# KiCad board EnvKB_HS.kicad_pcb (continued)
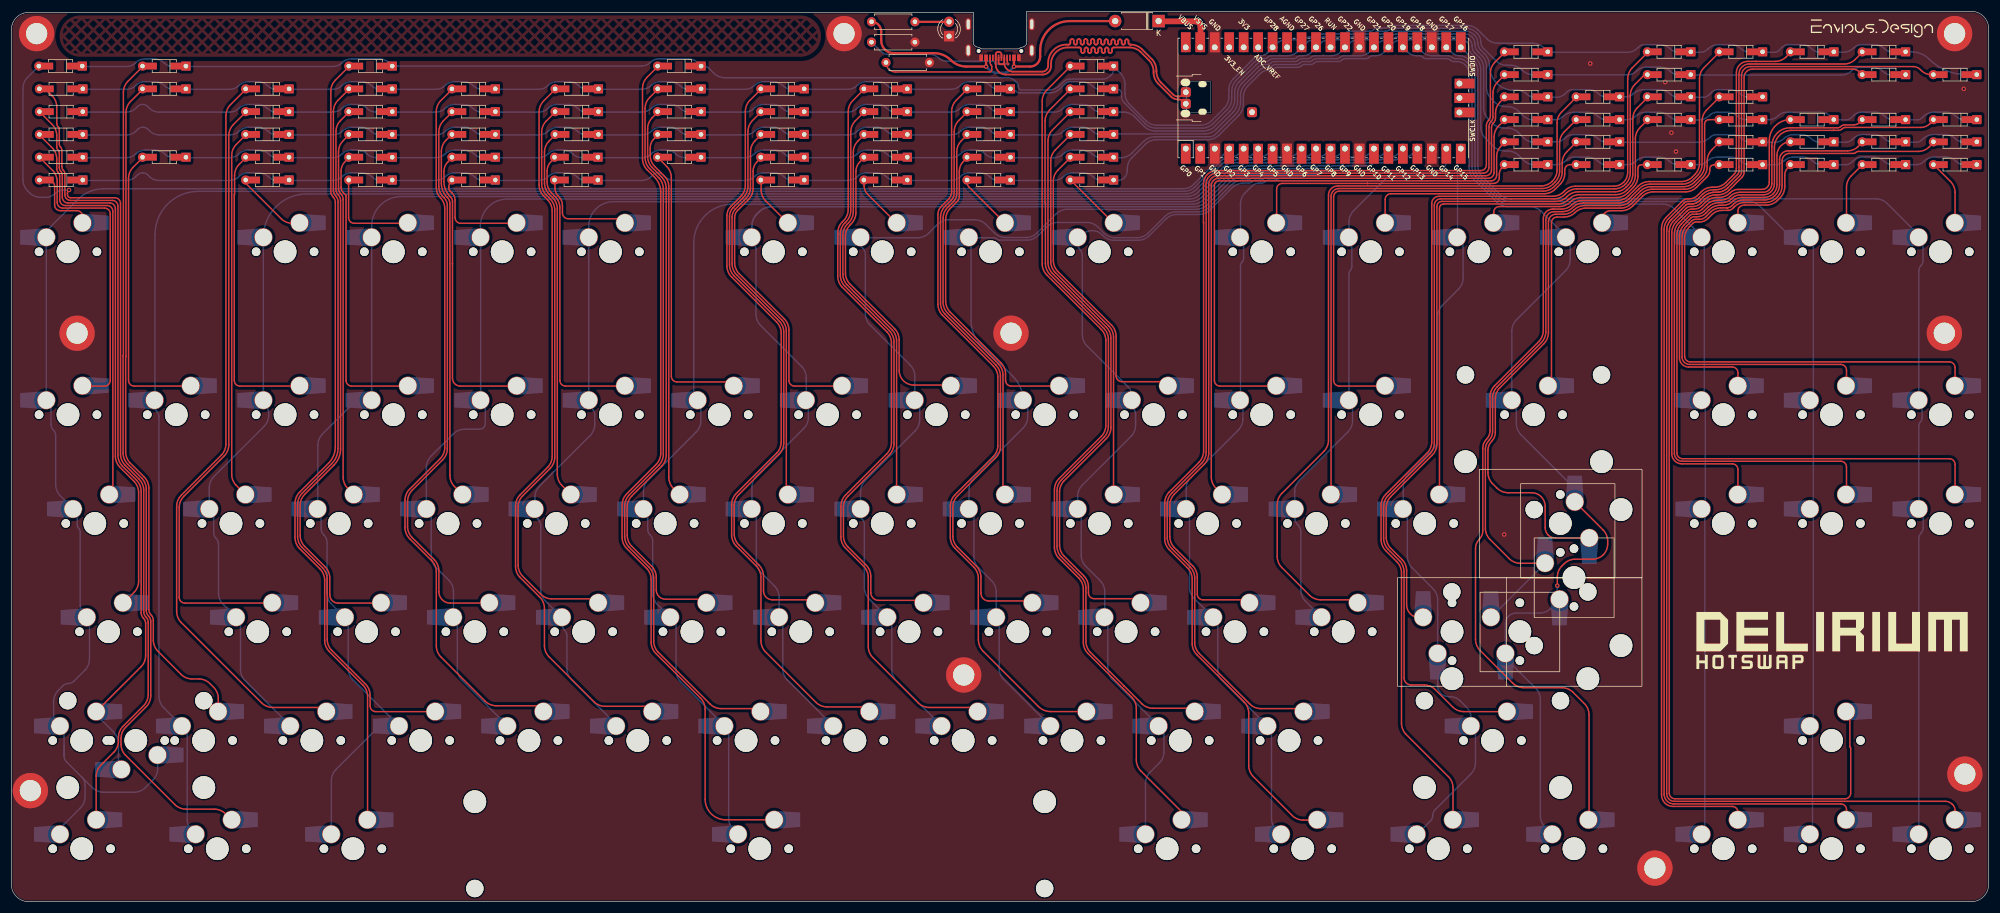
[diagram p0: board, top side]
## Nets (continued)
Net-(D80-A): D80.2 K_80.2
Net-(D81-A): D81.2 K_81.2
Net-(D82-A): D82.2 K_82.2
Net-(D83-A): D83.2 K_83.2
Net-(D84-A): D84.2 K_84.2
Net-(D85-A): D85.2 K_85.2
Net-(D86-A): D86.2 K_86.2
Net-(D87-A): D87.2 K_87.2
Net-(D88-A): D88.2 K_88.2
Net-(PowerLED0-A): LEDRESISTOR1.2 PowerLED0.2
Net-(USB1-CC1): RESISTOR0.1 USB1.A5
Net-(USB1-CC2): RESISTOR1.2 USB1.B5

Pads without a net: RPI0 1 2 33 35 37 40 41 42 43 TP6; USB1 A8 B8

## Via types
v1: diameter 0.8, hole 0.4, Top to Bottom, 10 vias
v2: diameter 0.5, hole 0.2, Top to Bottom, 1 via

## Routing (per net, layer and track width the routed paths; a pad name or vN(x,y) marks a point on that pad's centre or on a via; arc(x,y) is an arc through that point)
GND:
  vias: v1(261.99,64.45) v1(277.1,147.14) v1(290.24,143.88) v1(291.33,134.99) v1(292.13,131.69) v1(342.63,142.69)
col0: length 343
  Bottom w0.25: K_16.1 K_0.1 arc(6.33,117.64) 6.9,118.5 11.68,123.28 arc(13.74,124.66) 16.16,125.14 205.6,125.14 arc(206.64,125.35) 207.52,125.94 213.77,132.19 ; 9.25,26.21 9.25,27.4 ; 9.25,26.21 9.25,25.58 ; 9.25,26.21 arc(9.25,26.21) 9.25,26.22 ; 9.25,27.4 9.25,26.22 ; 9.25,27.4 9.25,30.09 ; 11.55,68.28 11.55,66.15 arc(11.62,65.81) 11.81,65.52 arc(12.01,65.23) 12.07,64.88 12.07,51.94 arc(12.23,51.15) 12.68,50.47 ; 13.7,49.46 13.7,42.56 arc(13.49,41.52) 12.9,40.63 10.95,38.68 arc(10.51,38.39) 10,38.29 arc(9.48,38.18) 9.04,37.89 8.2,37.06 arc(7.62,36.17) 7.41,35.13 7.41,31.94 ; 25.67,25.75 25.67,23.3 arc(25.46,22.26) 24.87,21.37 23.5,20 arc(22.62,19.41) 21.58,19.2 16.14,19.2 arc(15.1,19.41) 14.22,20 12.35,21.87 ; 9.25,26.22 9.25,25.61 arc(9.25,25.59) 9.25,25.58 ; 6.95,87.16 6.95,83.79 arc(7.06,83.25) 7.36,82.79 arc(7.67,82.34) 7.77,81.8 7.77,73.18 arc(7.98,72.14) 8.57,71.26 10.91,68.91 ; 12.35,21.87 9.68,24.53 arc(9.36,25.01) 9.25,25.58 ; 12.35,21.87 arc(12.78,21.22) 12.93,20.45 12.93,18.46 arc(12.71,17.35) 12.08,16.41 9.25,13.57 arc(8.71,12.77) K_78.1
col1: length 303.4
  Bottom w0.25: 216.31,132.19 215.45,131.32 arc(214.71,130.83) 213.85,130.66 arc(212.98,130.48) 212.25,129.99 207.74,125.49 arc(206.86,124.9) 205.82,124.69 32.8,124.69 arc(27.42,122.46) 25.2,117.09 25.2,87.32 ; 30.85,29.93 30.85,14.31 arc(31.04,13.34) 31.6,12.51 ; 29.96,30.81 26.7,34.08 arc(26.11,34.96) 25.9,36 25.9,85.18 arc(25.81,85.64) 25.55,86.03 arc(25.29,86.42) 25.2,86.88
col2: length 274.2
  Bottom w0.25: K_18.1 K_1.1 arc(46.45,122.01) 51.84,124.24 206.07,124.24 arc(207.11,124.45) 207.99,125.04 212.44,129.49 arc(213.24,130.02) 214.18,130.21 214.83,130.21 arc(215.16,130.27) 215.44,130.46 arc(215.73,130.65) 216.06,130.72 216.54,130.72 arc(217.32,130.87) 217.98,131.31 218.85,132.19 ; 35.5,68.14 35.5,64.78 arc(35.61,64.23) 35.92,63.76 arc(36.24,63.29) 36.35,62.73 36.35,54.13 arc(36.55,53.09) 37.14,52.21 39.49,49.87 ; 40.2,49.15 40.2,40.75 arc(40.41,39.71) 41,38.83 49.01,30.81 ; 34.72,68.91 34.72,72.68 arc(34.93,73.72) 35.52,74.6 44.36,83.44 arc(44.95,84.31) 45.15,85.34 45.15,85.82 arc(45.03,86.41) 44.7,86.91
col3: length 281.9
  Bottom w0.25: 64.59,30.81 56.95,23.18 arc(56.36,22.3) 56.15,21.26 56.15,11.76 ; 68.06,30.81 62.93,35.95 arc(62.93,35.95) 62.93,35.95 arc(62.93,35.95) 62.93,35.95 59.9,38.98 arc(59.31,39.87) 59.1,40.91 59.1,49.3 ; 221.39,132.19 220.52,131.31 arc(219.86,130.87) 219.08,130.72 218.6,130.72 arc(218.27,130.65) 217.99,130.46 arc(217.7,130.27) 217.37,130.21 216.57,130.21 arc(216.23,130.14) 215.95,129.95 arc(215.67,129.77) 215.34,129.7 214.54,129.7 arc(213.5,129.49) 212.62,128.9 208.3,124.59 arc(207.42,124) 206.38,123.79 68.43,123.79 arc(64.75,122.27) 63.22,118.59 K_2.1 63.22,89.83 arc(62.7,88.55) 61.42,88.02 ; 54.35,68.34 54.35,65.57 arc(54.49,64.89) 54.87,64.31 arc(55.26,63.73) 55.4,63.04 55.4,54.13 arc(55.61,53.09) 56.2,52.21 58.54,49.87 ; 60.46,87.97 54.57,82.07 arc(53.98,81.19) 53.77,80.15 53.77,68.91
col4: length 246.7
  Bottom w0.25: 78.28,49.18 78.28,40.78 arc(78.48,39.74) 79.07,38.85 87.11,30.81 ; 226.47,132.19 225.74,131.45 arc(224.92,130.91) 223.96,130.72 221.14,130.72 arc(220.81,130.65) 220.52,130.46 arc(220.24,130.27) 219.91,130.21 218.85,130.21 arc(218.52,130.14) 218.24,129.95 arc(217.96,129.77) 217.63,129.7 216.82,129.7 arc(216.49,129.63) 216.21,129.44 arc(215.93,129.26) 215.59,129.19 214.79,129.19 arc(213.75,128.98) 212.87,128.39 208.61,124.14 arc(207.73,123.55) 206.69,123.34 87.03,123.34 arc(83.7,121.96) 82.32,118.64 K_3.1 ; 73.67,68.06 73.67,60.63 arc(73.88,59.59) 74.47,58.71 76.79,56.39 arc(77.38,55.51) 77.59,54.47 77.59,49.87 ; 83.17,87.14 83.17,83.95 arc(83.1,83.56) 82.88,83.23 arc(82.54,83.01) 82.15,82.93 79.5,82.93 arc(78.46,82.72) 77.58,82.13 73.62,78.17 arc(73.03,77.29) 72.82,76.25 72.82,68.91 ; 82.35,87.97 82.35,116.6
col5: length 226.6
  Bottom w0.25: 106.16,31.09 98.3,38.96 arc(97.71,39.84) 97.5,40.88 97.5,46.64 arc(97.39,47.21) 97.07,47.69 arc(96.75,48.17) 96.64,48.73 ; 101.4,87.08 101.89,86.59 arc(102.25,86.05) 102.38,85.41 102.38,83.76 arc(102.17,82.72) 101.58,81.83 92.67,72.92 arc(92.08,72.04) 91.87,71 91.87,68.91 ; K_21.1 K_4.1 101.32,118.54 arc(102.6,121.62) 105.68,122.89 207,122.89 arc(208.04,123.1) 208.92,123.69 213.12,127.89 arc(214.01,128.48) 215.05,128.68 215.85,128.68 arc(216.18,128.75) 216.46,128.94 arc(216.74,129.12) 217.07,129.19 217.88,129.19 arc(218.21,129.26) 218.49,129.44 arc(218.77,129.63) 219.11,129.7 220.17,129.7 arc(220.5,129.77) 220.78,129.95 arc(221.06,130.14) 221.39,130.21 224.99,130.21 arc(225.32,130.27) 225.61,130.46 arc(225.89,130.65) 226.22,130.72 226.7,130.72 arc(227.48,130.87) 228.14,131.31 229.01,132.19 ; 96.02,50.48 93.7,52.8 arc(93.11,53.69) 92.9,54.73 92.9,65.98 arc(92.77,66.65) 92.39,67.22 91.87,67.73
col6: length 227.3
  Bottom w0.25: 125.88,30.15 125.88,14.61 arc(126.08,13.57) 126.67,12.68 ; 121,87.41 121,84.38 arc(120.79,83.34) 120.2,82.46 111.72,73.97 arc(111.13,73.09) 110.92,72.05 110.92,68.91 ; 111.68,68.16 111.68,65.4 arc(111.79,64.83) 112.11,64.34 arc(112.43,63.86) 112.55,63.29 112.55,54.13 arc(112.76,53.09) 113.35,52.21 115.69,49.87 ; 116.65,48.9 116.65,40.5 arc(116.86,39.46) 117.45,38.58 125.21,30.81 ; 119.75,88.66 119.75,115.63 arc(121.75,120.45) 126.56,122.44 207.31,122.44 arc(208.35,122.65) 209.24,123.24 213.38,127.38 arc(214.26,127.97) 215.3,128.18 216.1,128.18 arc(216.43,128.24) 216.72,128.43 arc(217,128.62) 217.33,128.68 218.13,128.68 arc(218.47,128.75) 218.75,128.94 arc(219.03,129.12) 219.36,129.19 220.42,129.19 arc(220.75,129.26) 221.03,129.44 arc(221.31,129.63) 221.65,129.7 225.25,129.7 arc(225.58,129.77) 225.86,129.95 arc(226.14,130.14) 226.47,130.21 227.53,130.21 arc(227.86,130.27) 228.14,130.46 arc(228.43,130.65) 228.76,130.72 229.24,130.72 arc(230.02,130.87) 230.68,131.31 231.55,132.19
col7: length 214.1
  Bottom w0.25: 133.54,121.99 133.29,121.99 arc(132.25,121.78) 131.37,121.19 130.77,120.59 arc(130.18,119.71) 129.97,118.67 129.97,116.54 ; 133.54,121.99 207.63,121.99 arc(208.67,122.2) 209.55,122.79 213.63,126.87 arc(214.51,127.46) 215.56,127.67 216.36,127.67 arc(216.69,127.73) 216.97,127.92 arc(217.25,128.11) 217.58,128.18 218.39,128.18 arc(218.72,128.24) 219,128.43 arc(219.28,128.62) 219.61,128.68 220.67,128.68 arc(221.01,128.75) 221.29,128.94 arc(221.57,129.12) 221.9,129.19 225.5,129.19 arc(225.83,129.26) 226.11,129.44 arc(226.39,129.63) 226.73,129.7 227.79,129.7 arc(228.12,129.77) 228.4,129.95 arc(228.68,130.14) 229.01,130.21 230.07,130.21 arc(230.4,130.27) 230.69,130.46 arc(230.97,130.65) 231.3,130.72 231.78,130.72 arc(232.56,130.87) 233.22,131.31 234.09,132.19 ; 133.54,121.99 arc(130.98,120.93) 129.92,118.38 K_5.1 ; 139.88,87.59 139.88,85.01 arc(139.67,83.97) 139.08,83.08 130.77,74.77 arc(130.18,73.89) 129.97,72.85 129.97,68.91 ; 144.26,30.81 136.17,38.9 arc(135.58,39.79) 135.38,40.83 135.38,49.23 ; 130.75,68.14 130.75,59.71 arc(130.96,58.67) 131.55,57.78 133.94,55.39 arc(134.53,54.51) 134.74,53.47 134.74,49.87 ; 139.5,87.97 139.5,92.01 arc(139.29,93.05) 138.7,93.93 131.47,101.16 arc(130.88,102.04) 130.68,103.08 130.68,114.53 arc(130.58,114.99) 130.32,115.38
col8: length 190.8
  Bottom w0.25: 159.4,87.11 159.4,84.56 arc(159.19,83.52) 158.6,82.63 149.82,73.85 arc(149.23,72.97) 149.02,71.93 149.02,70.42 ; 163.31,30.81 155.31,38.82 arc(154.72,39.7) 154.51,40.74 154.51,49.14 ; 153.79,49.87 150.5,53.15 arc(149.91,54.04) 149.7,55.08 149.7,66.25 arc(149.61,66.69) 149.36,67.07 arc(149.11,67.44) 149.02,67.89 ; 149.02,116.54 159.06,116.54 arc(160.1,116.75) 160.98,117.34 162.55,118.91 arc(163.44,119.5) 164.48,119.7 169.07,119.7 arc(170.11,119.5) 171,118.91 172.53,117.38 arc(173.41,116.79) 174.45,116.58 178.07,116.58 arc(179.11,116.79) 180,117.38 183.36,120.74 arc(184.25,121.33) 185.29,121.54 207.94,121.54 arc(208.98,121.75) 209.86,122.34 213.89,126.36 arc(214.77,126.95) 215.81,127.16 216.61,127.16 arc(216.94,127.23) 217.22,127.41 arc(217.5,127.6) 217.84,127.67 218.64,127.67 arc(218.97,127.73) 219.25,127.92 arc(219.54,128.11) 219.87,128.18 220.93,128.18 arc(221.26,128.24) 221.54,128.43 arc(221.82,128.62) 222.15,128.68 225.75,128.68 arc(226.09,128.75) 226.37,128.94 arc(226.65,129.12) 226.98,129.19 228.04,129.19 arc(228.37,129.26) 228.65,129.44 arc(228.93,129.63) 229.27,129.7 230.33,129.7 arc(230.66,129.77) 230.94,129.95 arc(231.22,130.14) 231.55,130.21 232.61,130.21 arc(232.94,130.27) 233.23,130.46 arc(233.51,130.65) 233.84,130.72 236.66,130.72 arc(237.62,130.91) 238.44,131.45 239.17,132.19 ; 158.55,87.97 158.55,92.26 arc(158.34,93.3) 157.75,94.18 150.67,101.26 arc(150.08,102.14) 149.88,103.18 149.88,113.65 arc(149.76,114.21) 149.45,114.68 149.02,115.11
col9: length 176.5
  Bottom w0.25: 172.84,49.87 172.84,54.39 arc(172.63,55.43) 172.04,56.32 169.72,58.63 arc(169.13,59.52) 168.93,60.56 168.93,68.06 ; 168.07,68.91 168.07,72.53 arc(168.28,73.57) 168.87,74.45 177.55,83.13 arc(178.14,84.02) 178.35,85.06 178.35,87.21 ; 182.36,30.81 174.15,39.03 arc(173.56,39.91) 173.35,40.95 173.35,49.35 ; 168.07,116.54 172.44,116.54 arc(172.71,116.49) 172.93,116.33 arc(173.16,116.18) 173.43,116.13 178.26,116.13 arc(179.3,116.34) 180.18,116.93 181.7,118.44 arc(182.58,119.03) 183.62,119.24 188.75,119.24 arc(189.79,119.03) 190.67,118.44 191.76,117.35 arc(192.64,116.76) 193.68,116.55 197.57,116.55 arc(198.61,116.76) 199.5,117.35 202.44,120.29 arc(203.32,120.88) 204.36,121.09 208.25,121.09 arc(209.29,121.3) 210.17,121.89 214.14,125.85 arc(215.02,126.44) 216.06,126.65 216.86,126.65 arc(217.2,126.72) 217.48,126.91 arc(217.76,127.09) 218.09,127.16 218.9,127.16 arc(219.23,127.23) 219.51,127.41 arc(219.79,127.6) 220.12,127.67 221.18,127.67 arc(221.51,127.73) 221.8,127.92 arc(222.08,128.11) 222.41,128.18 226.01,128.18 arc(226.34,128.24) 226.62,128.43 arc(226.9,128.62) 227.23,128.68 228.29,128.68 arc(228.63,128.75) 228.91,128.94 arc(229.19,129.12) 229.52,129.19 230.58,129.19 arc(230.91,129.26) 231.19,129.44 arc(231.47,129.63) 231.81,129.7 232.87,129.7 arc(233.2,129.77) 233.48,129.95 arc(233.76,130.14) 234.09,130.21 237.69,130.21 arc(238.02,130.27) 238.31,130.46 arc(238.59,130.65) 238.92,130.72 239.4,130.72 arc(240.18,130.87) 240.84,131.31 241.71,132.19 ; 168.43,116.19 168.43,101.93 arc(168.86,99.72) 170.11,97.85 175.81,92.16 arc(177.08,90.26) K_25.1
col10: length 175.8
  Bottom w0.25: 202.28,29.95 202.28,26.28 arc(202.07,25.24) 201.48,24.36 199.83,22.71 arc(199.24,21.82) 199.03,20.78 199.03,11.76 ; 191.89,49.87 191.89,54.42 arc(191.68,55.46) 191.09,56.34 188.55,58.88 arc(187.96,59.77) 187.75,60.81 187.75,68.29 ; 201.41,30.81 193.22,39 arc(192.63,39.89) 192.43,40.93 192.43,49.33 ; 187.12,68.91 187.12,71.18 arc(187.33,72.22) 187.92,73.1 196.5,81.68 arc(197.09,82.56) 197.29,83.6 197.29,85.66 arc(197.21,86.08) 196.97,86.44 196.65,86.76 ; 244.25,132.19 243.38,131.31 arc(242.72,130.87) 241.94,130.72 241.46,130.72 arc(241.13,130.65) 240.85,130.46 arc(240.56,130.27) 240.23,130.21 239.17,130.21 arc(238.84,130.14) 238.56,129.95 arc(238.28,129.77) 237.95,129.7 234.35,129.7 arc(234.01,129.63) 233.73,129.44 arc(233.45,129.26) 233.12,129.19 232.06,129.19 arc(231.73,129.12) 231.45,128.94 arc(231.17,128.75) 230.83,128.68 229.77,128.68 arc(229.44,128.62) 229.16,128.43 arc(228.88,128.24) 228.55,128.18 227.49,128.18 arc(227.16,128.11) 226.88,127.92 arc(226.59,127.73) 226.26,127.67 222.66,127.67 arc(222.33,127.6) 222.05,127.41 arc(221.77,127.23) 221.44,127.16 220.38,127.16 arc(220.04,127.09) 219.76,126.91 arc(219.48,126.72) 219.15,126.65 218.34,126.65 arc(218.01,126.58) 217.73,126.4 arc(217.45,126.21) 217.12,126.14 216.19,126.14 arc(215.15,125.94) 214.27,125.35 210.36,121.44 arc(209.48,120.85) 208.44,120.64 204.55,120.64 arc(203.51,120.43) 202.62,119.84 199.68,116.9 arc(198.8,116.31) 197.76,116.1 193.5,116.1 arc(192.46,116.31) 191.57,116.9 191.35,117.13 arc(190.6,117.63) 189.71,117.8 189.64,117.8 arc(188.82,117.64) 188.12,117.17 ; 196.65,88.82 arc(196.49,89.62) 196.04,90.29 188.75,97.58 arc(188.16,98.47) 187.95,99.51 187.95,113.47 arc(187.84,114.01) 187.54,114.47 arc(187.23,114.93) 187.12,115.47
col11: length 151
  Bottom w0.25: 246.79,132.19 245.92,131.31 arc(245.26,130.87) 244.48,130.72 244,130.72 arc(243.67,130.65) 243.38,130.46 arc(243.1,130.27) 242.77,130.21 241.71,130.21 arc(241.38,130.14) 241.1,129.95 arc(240.82,129.77) 240.49,129.7 239.43,129.7 arc(239.09,129.63) 238.81,129.44 arc(238.53,129.26) 238.2,129.19 234.6,129.19 arc(234.27,129.12) 233.99,128.94 arc(233.71,128.75) 233.37,128.68 232.31,128.68 arc(231.98,128.62) 231.7,128.43 arc(231.42,128.24) 231.09,128.18 230.03,128.18 arc(229.7,128.11) 229.42,127.92 arc(229.13,127.73) 228.8,127.67 227.74,127.67 arc(227.41,127.6) 227.13,127.41 arc(226.85,127.23) 226.52,127.16 222.92,127.16 arc(222.58,127.09) 222.3,126.91 arc(222.02,126.72) 221.69,126.65 220.63,126.65 arc(220.3,126.58) 220.02,126.4 arc(219.74,126.21) 219.4,126.14 219,126.14 arc(218.3,126) 217.7,125.6 216.49,124.4 arc(215.91,123.52) 215.7,122.48 215.7,116.54 ; 221.15,30.13 221.15,14.58 arc(221.36,13.54) 221.95,12.66 ; 211.72,49.08 211.72,40.68 arc(211.93,39.64) 212.52,38.75 220.46,30.81 ; 216.25,115.99 216.25,112.95 arc(216.18,112.58) 215.97,112.28 arc(215.77,111.97) 215.7,111.61 215.7,87.97 ; 216.12,87.54 216.12,84.71 arc(215.92,83.67) 215.33,82.78 206.97,74.42 arc(206.38,73.54) 206.17,72.5 206.17,68.91 ; 210.94,49.87 207.55,53.25 arc(206.96,54.14) 206.75,55.18 206.75,68.34
col12: length 97
  Bottom w0.25: 234.75,87.97 234.75,110.25 arc(234.81,110.58) 235,110.85 arc(235.18,111.13) 235.25,111.46 235.25,116.1 ; 225.22,69.05 225.22,72 arc(225.43,73.04) 226.02,73.92 234.58,82.48 arc(235.17,83.37) 235.38,84.41 235.38,87.34 ; 251.87,132.19 251.87,130.27 arc(251.07,128.34) 249.14,127.53 242.93,127.53 arc(241.89,127.33) 241.01,126.74 235.54,121.27 arc(234.96,120.39) 234.75,119.35 234.75,116.54 ; 229.99,49.87 227.1,52.75 arc(226.51,53.64) 226.3,54.68 226.3,64.84 arc(226.16,65.55) 225.76,66.14 arc(225.36,66.74) 225.22,67.44
col13: length 127.7
  Bottom w0.25: 256.95,30.04 256.95,24.35 arc(256.74,23.3) 256.15,22.42 249.86,16.13 arc(249.56,15.67) 249.45,15.14 arc(249.34,14.6) 249.04,14.15 246.65,11.76 ; 250.31,41.72 250.31,37.95 arc(250.46,37.19) 250.88,36.55 arc(251.53,36.13) 252.28,35.97 252.5,35.97 arc(253.45,35.79) 254.26,35.24 255.38,34.12 arc(255.97,33.24) 256.18,32.2 ; 254.77,115.56 254.77,109.46 arc(254.57,108.42) 253.98,107.53 251.1,104.65 arc(250.51,103.77) 250.3,102.73 250.3,81.31 arc(250.09,80.27) 249.5,79.38 245.07,74.95 arc(244.48,74.07) 244.27,73.03 244.27,68.91 ; 245,68.19 245,60.56 arc(245.21,59.52) 245.8,58.63 249.51,54.92 arc(250.1,54.04) 250.31,53 250.31,50.46 arc(250.31,50.46) 250.31,50.46 arc(250.31,50.46) 250.31,50.46 250.31,43.51 ; 253.8,116.54 253.8,131.14 arc(253.88,131.54) 254.11,131.88
col14: length 179.3
  Top w0.25: 274.42,70.17 279.35,65.24 arc(279.94,64.36) 280.15,63.32 280.15,62.75 arc(279.95,61.74) 279.37,60.88 arc(278.52,60.31) 277.5,60.11 274.42,60.11 arc(273.38,59.9) 272.49,59.31 272.11,58.92 arc(271.52,58.04) 271.31,57 v1(271.31,55.46)
  Bottom w0.25: 272.85,116.81 268.44,121.22 arc(267.56,121.81) 266.52,122.02 262.61,122.02 arc(261.57,122.22) 260.69,122.81 256.63,126.87 arc(256.04,127.75) 255.83,128.79 255.83,145.31 arc(255.67,146.14) 255.2,146.84 255.19,146.85 arc(254.49,147.32) 253.67,147.48 253.14,147.48 arc(252.81,147.55) 252.53,147.73 arc(252.25,147.92) 251.92,147.99 248.32,147.99 arc(247.98,148.05) 247.7,148.24 arc(247.42,148.43) 247.09,148.5 246.59,148.5 arc(245.79,148.65) 245.11,149.11 244.25,149.97 ; 262.19,42.78 267.54,37.43 arc(268.13,36.55) 268.33,35.51 268.33,15.03 arc(268.54,13.98) 269.13,13.1 270.47,11.76 ; 263.32,87.97 263.32,100.2 arc(263.53,101.24) 264.12,102.12 272.78,110.78 arc(273.37,111.67) 273.57,112.71 273.57,115.81 ; v1(271.31,55.46) 271.31,53.45 ; 271.72,53.04 270.13,51.46 arc(269.25,50.87) 268.21,50.66 264.1,50.66 arc(263.37,50.52) 262.75,50.1 arc(262.34,49.48) 262.19,48.76 262.19,43.52 ; 274.42,72.47 264.92,81.97 arc(264.33,82.85) 264.12,83.89 264.12,87.16
col15: length 175.4
  Bottom w0.25: 246.79,149.97 247.53,149.23 arc(248.34,148.69) 249.3,148.5 252.17,148.5 arc(252.5,148.43) 252.78,148.24 arc(253.06,148.05) 253.4,147.99 253.93,147.99 arc(254.75,147.82) 255.44,147.36 255.58,147.22 arc(256.14,146.38) 256.34,145.39 256.34,128.92 arc(256.55,127.88) 257.14,127 260.87,123.26 arc(261.76,122.67) 262.8,122.47 289.87,122.47 arc(290.91,122.26) 291.79,121.67 296.66,116.8 ; 297.1,88.4 297.1,116.1 ; 297.2,12.3 297.2,68.38 ; 297.27,69.53 297.27,87.35
col16: length 187.7
  Bottom w0.25: 316.1,12.15 316.1,30.43 ; 251.87,149.97 252.73,149.11 arc(253.41,148.65) 254.21,148.5 arc(255,148.34) 255.68,147.88 256.05,147.51 arc(256.64,146.63) 256.85,145.59 256.85,129.05 arc(257.05,128.01) 257.64,127.13 261.06,123.71 arc(261.94,123.12) 262.98,122.92 304.92,122.92 arc(305.96,122.71) 306.84,122.12 312.42,116.54 ; 316.25,116 316.25,31.35
col17: length 207.9
  Bottom w0.25: 334.76,87.97 334.76,110.77 arc(334.86,111.25) 335.13,111.66 arc(335.4,112.07) 335.5,112.55 335.5,115.8 ; 335.32,87.4 335.32,84.9 arc(335.25,84.54) 335.04,84.22 arc(334.83,83.91) 334.76,83.54 334.76,68.91 ; 334.76,11.76 334.76,63.77 arc(334.86,64.27) 335.14,64.7 arc(335.43,65.12) 335.52,65.62 335.52,68.15 ; 334.76,117 329.18,122.58 arc(328.3,123.17) 327.26,123.38 285.59,123.38 arc(285.58,123.37) 285.58,123.37 arc(285.57,123.37) 285.57,123.37 263.17,123.37 arc(262.13,123.57) 261.25,124.16 258.15,127.26 arc(257.56,128.14) 257.36,129.18 257.36,145.9 arc(257.15,146.94) 256.56,147.82 254.41,149.97
row0: length 372
  Bottom w0.25: D10.1 283.61,129.38 arc(284.39,129.54) 285.06,129.99 arc(285.85,130.51) 286.78,130.7 289.29,130.7 arc(290.18,130.52) 290.92,130.02 arc(291.63,129.55) 292.47,129.38 D11.1 296.3,129.38 arc(296.95,129.51) 297.51,129.88 arc(298.41,130.49) 299.48,130.7 301.91,130.7 arc(302.8,130.52) 303.54,130.02 arc(304.29,129.53) 305.17,129.35 309.45,129.35 arc(310.34,129.53) 311.08,130.02 arc(311.83,130.52) 312.71,130.7 314.49,130.7 arc(315.38,130.52) 316.12,130.02 arc(316.87,129.53) 317.75,129.35 319.91,129.35 ; 12.56,126.6 20.2,126.6 arc(21.09,126.78) 21.83,127.27 22.14,127.58 arc(22.55,127.85) 23.03,127.95 arc(23.52,127.85) 23.93,127.58 24.23,127.27 arc(24.98,126.78) 25.86,126.6 38.3,126.6 arc(39.19,126.78) 39.93,127.27 arc(40.68,127.77) 41.56,127.95 43.46,127.95 arc(44.35,127.77) 45.09,127.27 arc(45.84,126.78) 46.72,126.6 56.4,126.6 arc(57.29,126.78) 58.03,127.27 arc(58.78,127.77) 59.66,127.95 61.61,127.95 arc(62.5,127.77) 63.24,127.27 arc(63.99,126.78) 64.87,126.6 74.5,126.6 arc(75.39,126.78) 76.13,127.27 arc(76.88,127.77) 77.76,127.95 79.61,127.95 arc(80.5,127.77) 81.24,127.27 arc(81.99,126.78) 82.87,126.6 84.96,126.6 ; 103.01,126.6 110.65,126.6 arc(111.54,126.78) 112.28,127.28 112.59,127.58 arc(113,127.85) 113.48,127.95 arc(113.97,127.85) 114.38,127.58 114.68,127.27 arc(115.43,126.78) 116.31,126.6 128.75,126.6 arc(129.64,126.78) 130.38,127.27 arc(131.13,127.77) 132.01,127.95 133.96,127.95 arc(134.85,127.77) 135.59,127.27 arc(136.34,126.78) 137.22,126.6 139.21,126.6 ; D9.1 271.04,129.38 arc(272.05,129.59) 272.91,130.16 arc(273.51,130.56) 274.21,130.7 276.76,130.7 arc(277.65,130.52) 278.39,130.02 arc(279.14,129.53) 280.02,129.35 282.15,129.35 ; 102.33,126.6 100.85,126.6 arc(99.97,126.78) 99.22,127.27 arc(98.48,127.77) 97.59,127.95 95.81,127.95 arc(94.93,127.77) 94.18,127.27 arc(93.44,126.78) 92.55,126.6 84.91,126.6 ; 139.16,126.6 146.8,126.6 arc(147.69,126.78) 148.43,127.27 arc(149.18,127.77) 150.06,127.95 151.91,127.95 arc(152.8,127.77) 153.54,127.27 arc(154.29,126.78) 155.17,126.6 164.9,126.6 arc(165.79,126.78) 166.53,127.27 arc(167.28,127.77) 168.16,127.95 170.04,127.95 arc(170.93,127.77) 171.67,127.27 arc(172.42,126.78) 173.3,126.6 183,126.6 arc(183.89,126.78) 184.63,127.27 arc(185.38,127.77) 186.26,127.95 188.19,127.95 arc(189.08,127.77) 189.82,127.27 arc(190.57,126.78) 191.45,126.6 194.15,126.6 arc(194.8,126.73) 195.34,127.09 195.34,127.09 arc(195.71,127.64) 195.83,128.28 195.83,128.69 arc(196.04,129.7) 196.61,130.56 199.01,132.97 arc(199.9,133.56) 200.94,133.76 210,133.76 arc(211.04,133.97) 211.92,134.56 215.41,138.05 arc(216,138.93) 216.21,139.97 216.21,141.27 arc(216.41,142.31) 217,143.2 219.22,145.42 arc(219.82,145.81) 220.52,145.95 220.93,145.95 arc(221.26,146.02) 221.54,146.21 arc(221.82,146.4) 222.15,146.46 225.75,146.46 arc(226.09,146.53) 226.37,146.72 arc(226.65,146.9) 226.98,146.97 228.04,146.97 arc(228.37,147.04) 228.65,147.22 arc(228.93,147.41) 229.27,147.48 232.87,147.48 arc(233.2,147.55) 233.48,147.73 arc(233.76,147.92) 234.09,147.99 237.69,147.99 arc(238.02,148.05) 238.31,148.24 arc(238.59,148.43) 238.92,148.5 239.4,148.5 arc(240.18,148.65) 240.84,149.09 242.38,150.63 arc(243.11,151.12) 243.97,151.29 254.53,151.29 arc(255.03,151.19) 255.45,150.91 arc(255.73,150.49) 255.83,149.99 255.83,149.89 arc(255.95,149.31) 256.28,148.81 257.07,148.02 arc(257.66,147.14) 257.86,146.1 257.86,135.97 arc(258.07,134.93) 258.66,134.05 260.14,132.57 arc(261.02,131.98) 262.06,131.77 262.63,131.77 arc(263.67,131.57) 264.55,130.98 265.39,130.15 arc(266.27,129.56) 267.31,129.35 269.55,129.35 ; 345.01,129.38 342.8,129.38 arc(341.92,129.55) 341.17,130.05 arc(340.42,130.55) 339.54,130.72 337.5,130.72 arc(336.51,130.53) 335.66,129.96 335.64,129.94 arc(335.01,129.52) 334.27,129.38 330.18,129.38 arc(329.3,129.55) 328.55,130.05 arc(327.8,130.55) 326.92,130.72 324.88,130.72 arc(323.95,130.54) 323.16,130.01 322.89,129.74 arc(322.48,129.47) 322,129.38 319.91,129.38
row2: length 366
  Bottom w0.25: 84.91,130.6 92.55,130.6 arc(93.44,130.78) 94.18,131.27 arc(94.93,131.77) 95.81,131.95 96.86,131.95 arc(97.74,131.77) 98.49,131.27 arc(99.24,130.78) 100.12,130.6 110.65,130.6 arc(111.54,130.78) 112.28,131.27 arc(113.03,131.77) 113.91,131.95 114.96,131.95 arc(115.84,131.77) 116.59,131.27 arc(117.34,130.78) 118.22,130.6 128.75,130.6 arc(129.64,130.78) 130.38,131.27 arc(131.13,131.77) 132.01,131.95 134.04,131.95 arc(134.93,131.77) 135.67,131.27 arc(136.42,130.78) 137.3,130.6 139.21,130.6 ; 345.01,133.32 342.73,133.32 arc(341.85,133.5) 341.1,134 arc(340.35,134.5) 339.47,134.68 337.48,134.68 arc(336.32,134.44) 335.33,133.78 335.21,133.66 arc(334.84,133.41) 334.39,133.32 330.3,133.32 arc(329.42,133.5) 328.67,134 arc(327.92,134.5) 327.04,134.68 325,134.68 arc(324.01,134.48) 323.16,133.91 322.98,133.73 arc(322.53,133.43) 322,133.32 319.91,133.32 ; 269.43,133.3 267.31,133.3 arc(266.27,133.51) 265.39,134.1 264.48,135 arc(263.6,135.59) 262.56,135.8 261.93,135.8 arc(260.89,136.01) 260.01,136.6 259.17,137.44 arc(258.58,138.32) 258.37,139.36 258.37,146.35 arc(258.16,147.39) 257.57,148.28 256.83,149.02 arc(256.47,149.56) 256.34,150.21 256.34,150.28 arc(256.22,150.86) 255.9,151.35 arc(255.4,151.68) 254.82,151.8 243.24,151.8 arc(242.9,151.73) 242.62,151.54 arc(242.34,151.36) 242.01,151.29 241.43,151.29 arc(240.57,151.12) 239.84,150.63 238.44,149.23 arc(237.62,148.69) 236.66,148.5 233.84,148.5 arc(233.51,148.43) 233.23,148.24 arc(232.94,148.05) 232.61,147.99 229.01,147.99 arc(228.68,147.92) 228.4,147.73 arc(228.12,147.55) 227.79,147.48 226.73,147.48 arc(226.39,147.41) 226.11,147.22 arc(225.83,147.04) 225.5,146.97 221.9,146.97 arc(221.57,146.9) 221.29,146.72 arc(221.01,146.53) 220.67,146.46 220.27,146.46 arc(219.57,146.32) 218.97,145.92 216.5,143.45 arc(215.91,142.57) 215.7,141.53 215.7,140.22 arc(215.49,139.18) 214.9,138.3 211.33,134.73 arc(210.82,134.39) 210.23,134.27 209.59,134.27 arc(209.59,134.27) 209.59,134.27 200.64,134.27 arc(199.6,134.06) 198.72,133.47 196.64,131.4 arc(195.76,130.81) 194.72,130.6 191.27,130.6 arc(190.39,130.78) 189.64,131.27 arc(188.9,131.77) 188.01,131.95 186.26,131.95 arc(185.38,131.77) 184.63,131.27 arc(183.89,130.78) 183,130.6 172.52,130.6 arc(171.64,130.78) 170.89,131.27 arc(170.14,131.77) 169.26,131.95 168.16,131.95 arc(167.28,131.77) 166.53,131.27 arc(165.79,130.78) 164.9,130.6 155.22,130.6 arc(154.34,130.78) 153.59,131.27 arc(152.85,131.77) 151.96,131.95 150.06,131.95 arc(149.18,131.77) 148.43,131.27 arc(147.69,130.78) 146.8,130.6 139.16,130.6 ; 84.96,130.6 82.82,130.6 arc(81.94,130.78) 81.19,131.27 arc(80.45,131.77) 79.56,131.95 77.76,131.95 arc(76.88,131.77) 76.13,131.27 arc(75.39,130.78) 74.5,130.6 64.02,130.6 arc(63.14,130.78) 62.39,131.27 arc(61.64,131.77) 60.76,131.95 59.66,131.95 arc(58.78,131.77) 58.03,131.27 arc(57.29,130.78) 56.4,130.6 46.75,130.6 arc(45.87,130.78) 45.12,131.27 arc(44.38,131.77) 43.49,131.95 41.56,131.95 arc(40.68,131.77) 39.93,131.27 arc(39.19,130.78) 38.3,130.6 28.52,130.6 arc(27.64,130.78) 26.89,131.27 arc(26.15,131.77) 25.26,131.95 23.46,131.95 arc(22.58,131.77) 21.83,131.27 arc(21.09,130.78) 20.2,130.6 12.56,130.6 ; D27.1 271.05,133.38 arc(271.94,133.56) 272.68,134.06 arc(273.34,134.5) 274.11,134.65 276.79,134.65 arc(277.68,134.47) 278.42,133.97 arc(279.17,133.48) 280.05,133.3 295.96,133.3 arc(297.15,133.54) 298.16,134.21 arc(298.65,134.54) 299.22,134.65 302.06,134.65 arc(302.95,134.47) 303.69,133.97 arc(304.44,133.48) 305.32,133.3 309.45,133.3 arc(310.34,133.48) 311.08,133.97 arc(311.83,134.47) 312.71,134.65 314.19,134.65 arc(315.08,134.47) 315.82,133.97 arc(316.57,133.48) 317.45,133.3 319.91,133.3
row3: length 360.9
  Bottom w0.25: 193.51,134.6 191.35,134.6 arc(190.47,134.78) 189.72,135.27 arc(188.98,135.77) 188.09,135.95 186.31,135.95 arc(185.43,135.77) 184.68,135.27 arc(183.94,134.78) 183.05,134.6 173.5,134.6 arc(172.62,134.78) 171.87,135.27 arc(171.13,135.77) 170.24,135.95 168.21,135.95 arc(167.33,135.77) 166.58,135.27 arc(165.84,134.78) 164.95,134.6 155.22,134.6 arc(154.34,134.78) 153.59,135.27 arc(152.85,135.77) 151.96,135.95 150.11,135.95 arc(149.23,135.77) 148.48,135.27 arc(147.74,134.78) 146.85,134.6 139.21,134.6 ; D43.1 271.1,137.28 arc(271.68,137.4) 272.18,137.74 arc(273.11,138.36) 274.21,138.57 276.77,138.57 arc(277.65,138.4) 278.4,137.9 arc(279.08,137.44) 279.88,137.28 D44.1 283.67,137.28 arc(284.35,137.42) 284.93,137.81 arc(285.78,138.38) 286.78,138.57 289.29,138.57 arc(290.17,138.4) 290.92,137.9 arc(291.67,137.4) 292.55,137.22 296.08,137.22 arc(297.14,137.44) 298.03,138.03 arc(298.63,138.43) 299.34,138.57 301.29,138.57 arc(302.13,138.41) 302.85,137.93 arc(303.56,137.45) 304.4,137.28 308.46,137.28 arc(309.3,137.45) 310.02,137.93 arc(310.73,138.41) 311.58,138.57 317.6,138.57 arc(318.49,138.4) 319.23,137.9 ; 194.14,134.78 209.49,134.78 arc(210.53,134.99) 211.42,135.58 214.39,138.55 arc(214.98,139.44) 215.19,140.48 215.19,141.78 arc(215.4,142.82) 215.99,143.7 218.72,146.43 arc(219.31,146.83) 220.02,146.97 220.42,146.97 arc(220.75,147.04) 221.03,147.22 arc(221.31,147.41) 221.65,147.48 225.25,147.48 arc(225.58,147.55) 225.86,147.73 arc(226.14,147.92) 226.47,147.99 227.53,147.99 arc(227.86,148.05) 228.14,148.24 arc(228.43,148.43) 228.76,148.5 231.58,148.5 arc(232.54,148.69) 233.36,149.23 234.75,150.63 arc(235.49,151.12) 236.35,151.29 239.22,151.29 arc(239.55,151.36) 239.83,151.54 arc(240.11,151.73) 240.44,151.8 241.76,151.8 arc(242.09,151.86) 242.37,152.05 arc(242.65,152.24) 242.98,152.31 255.11,152.31 arc(255.78,152.17) 256.34,151.8 arc(256.71,151.23) 256.85,150.57 256.85,150.53 arc(256.99,149.82) 257.39,149.23 258.08,148.53 arc(258.67,147.65) 258.88,146.61 258.88,142.91 arc(259.09,141.86) 259.68,140.98 260.29,140.37 arc(261.17,139.78) 262.21,139.57 262.56,139.57 arc(263.6,139.37) 264.48,138.78 265.21,138.05 arc(266.09,137.46) 267.13,137.25 269.71,137.25 ; 345.01,137.25 342.82,137.25 arc(341.94,137.43) 341.19,137.93 arc(340.45,138.42) 339.56,138.6 337.48,138.6 arc(336.41,138.39) 335.51,137.78 335.27,137.55 arc(334.94,137.33) 334.55,137.25 330.35,137.25 arc(329.47,137.43) 328.72,137.93 arc(327.98,138.42) 327.09,138.6 324.7,138.6 arc(323.96,138.45) 323.33,138.03 322.93,137.64 arc(322.51,137.35) 322,137.25 319.91,137.25 ; 139.26,134.6 137.07,134.6 arc(136.19,134.78) 135.44,135.27 arc(134.7,135.77) 133.81,135.95 132.06,135.95 arc(131.18,135.77) 130.43,135.27 arc(129.69,134.78) 128.8,134.6 118.95,134.6 arc(118.07,134.78) 117.32,135.27 arc(116.58,135.77) 115.69,135.95 113.96,135.95 arc(113.08,135.77) 112.33,135.27 arc(111.59,134.78) 110.7,134.6 100.95,134.6 arc(100.07,134.78) 99.32,135.27 arc(98.58,135.77) 97.69,135.95 95.86,135.95 arc(94.98,135.77) 94.23,135.27 arc(93.49,134.78) 92.6,134.6 84.96,134.6 ; 12.61,134.6 20.25,134.6 arc(21.14,134.78) 21.88,135.27 22.19,135.58 arc(22.6,135.85) 23.08,135.95 arc(23.57,135.85) 23.98,135.58 24.28,135.27 arc(25.03,134.78) 25.91,134.6 38.35,134.6 arc(39.24,134.78) 39.98,135.27 arc(40.73,135.77) 41.61,135.95 43.34,135.95 arc(44.23,135.77) 44.97,135.27 arc(45.72,134.78) 46.6,134.6 56.45,134.6 arc(57.34,134.78) 58.08,135.27 arc(58.83,135.77) 59.71,135.95 61.46,135.95 arc(62.35,135.77) 63.09,135.27 arc(63.84,134.78) 64.72,134.6 74.55,134.6 arc(75.44,134.78) 76.18,135.27 arc(76.93,135.77) 77.81,135.95 79.59,135.95 arc(80.48,135.77) 81.22,135.27 arc(81.97,134.78) 82.85,134.6 85.01,134.6
